# Altium PCB Exter.PcbDoc (part 1 of 2)
Units mil, origin at the board's own origin, x right, y up, seen from the top; angles counter-clockwise.
Board outline 6825 x 4690 mil, 2 copper layers (Top Layer, Bottom Layer); 156 components, 130 nets, 506 pads, 250 vias.
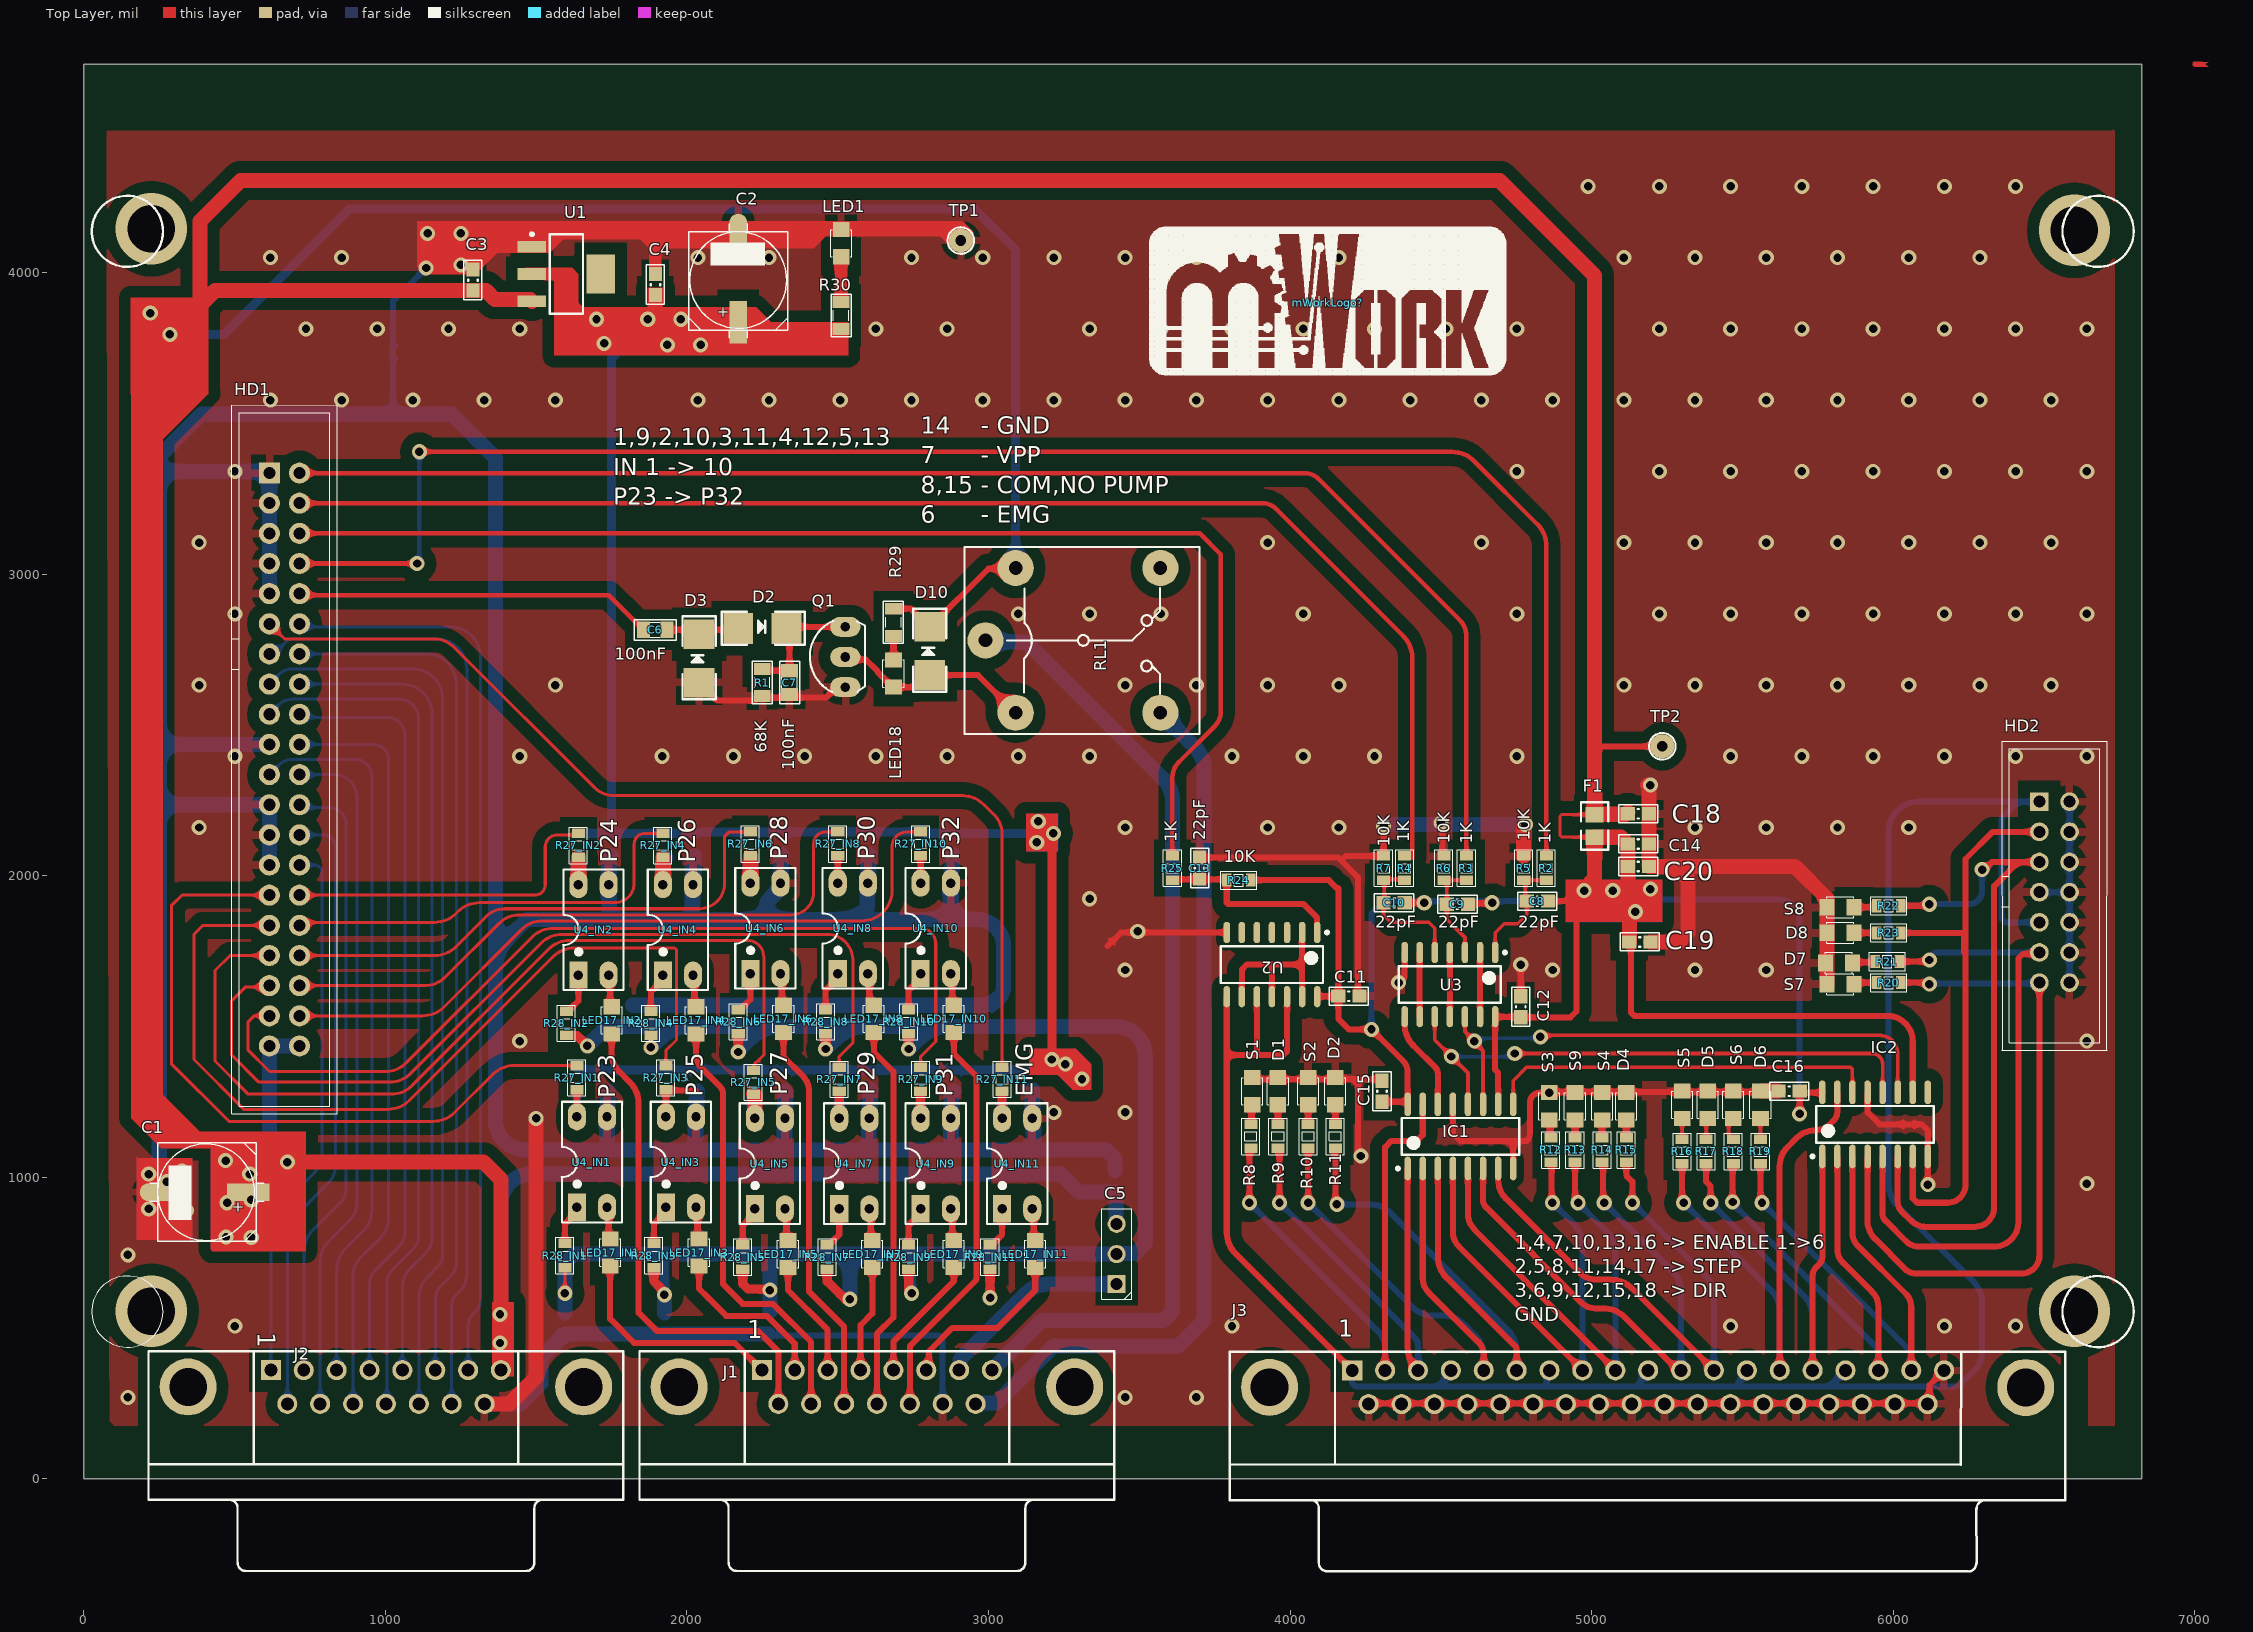
[diagram p0: Top Layer view]
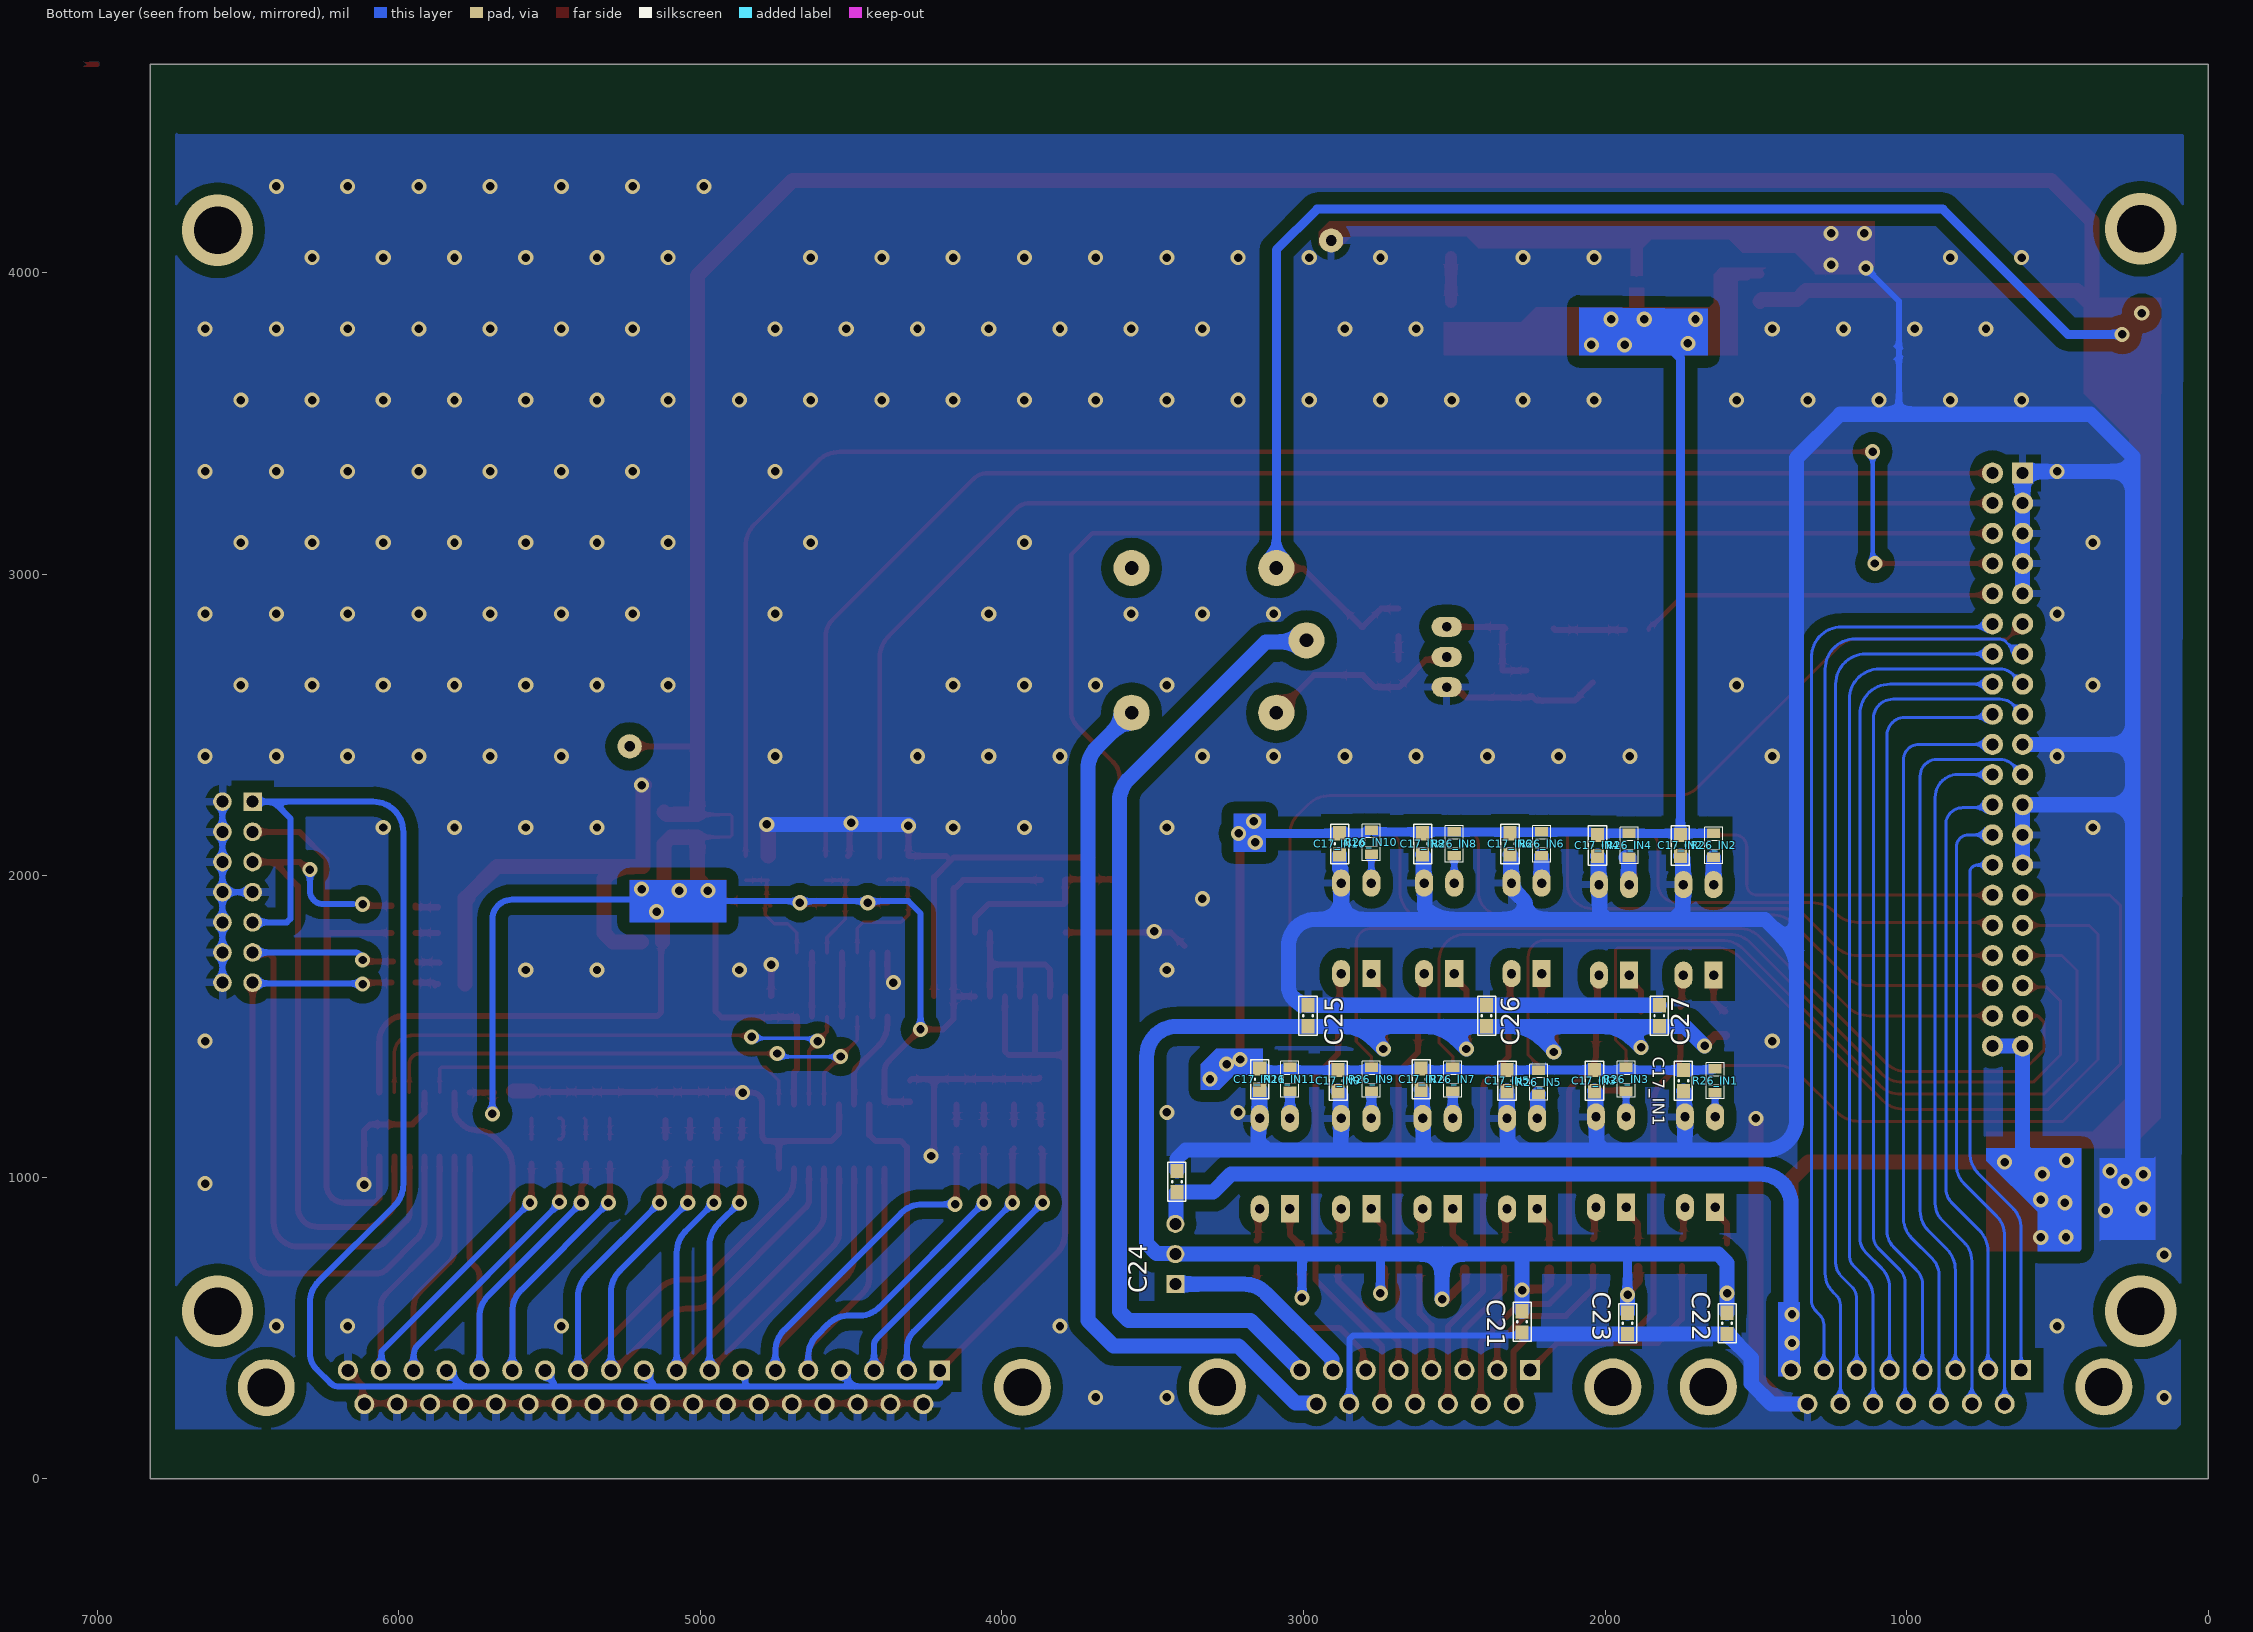
[diagram p1: Bottom Layer view, seen from below]
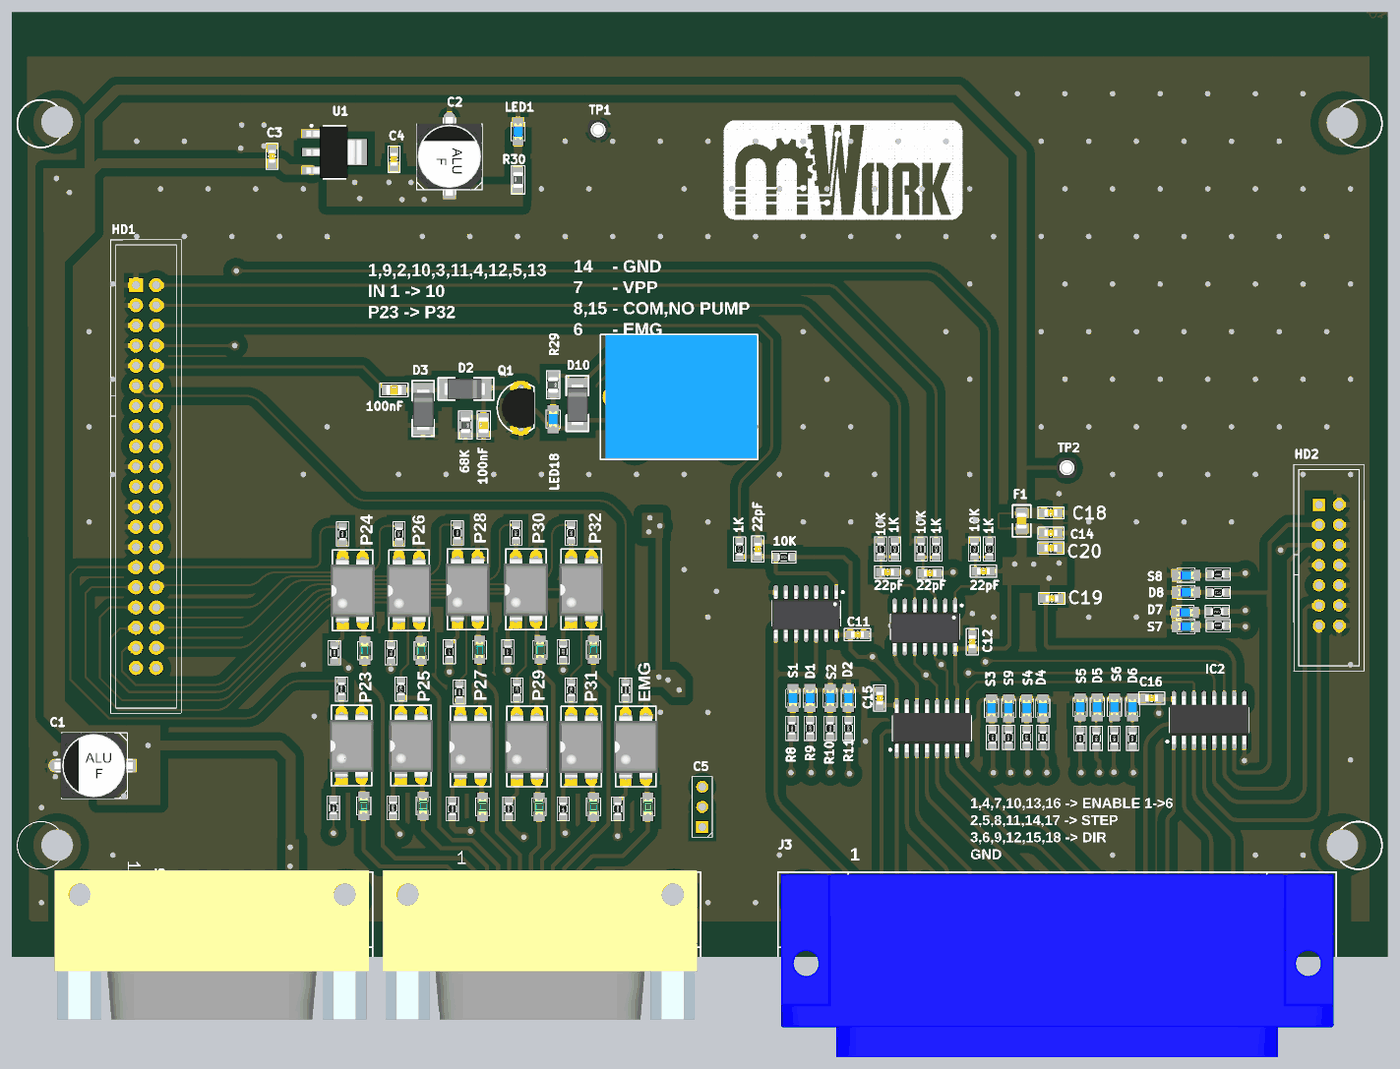
[diagram p3: 3D render of the assembled board from above, using the file's embedded part models]
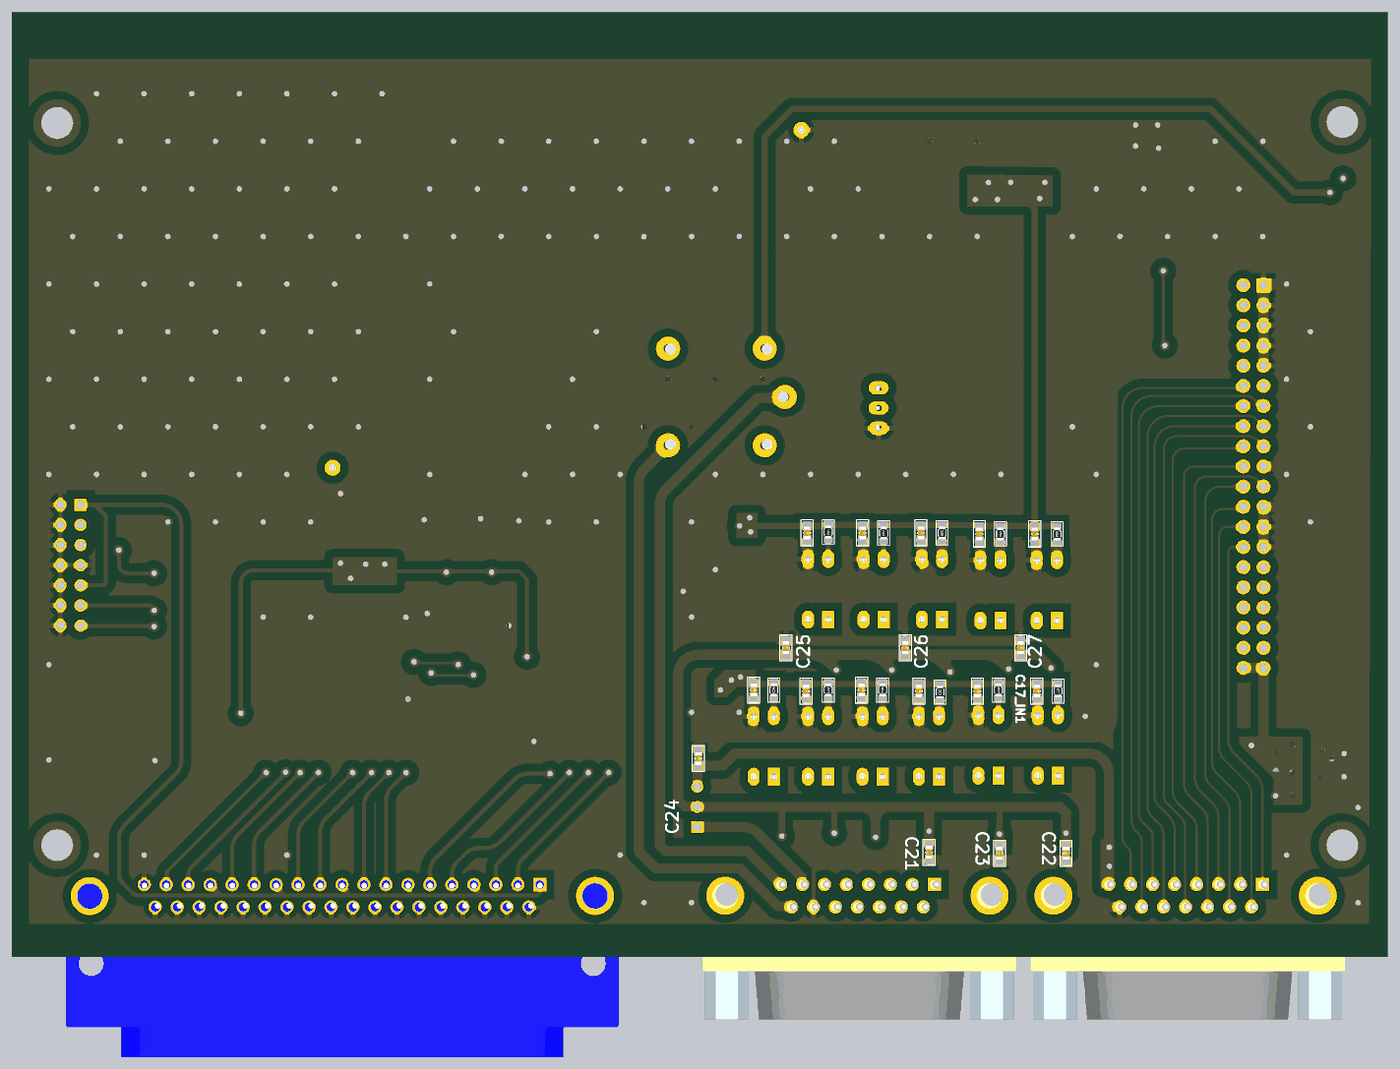
[diagram p4: 3D render of the assembled board from below, using the file's embedded part models]

## Layer stack, top to bottom
Top Solder: solder mask 0.4, Solder Resist, Dk 3.5
Top Layer: signal copper 1.4
Dielectric 1: dielectric 12.6, FR-4, Dk 4.8
Bottom Layer: signal copper 1.4
Bottom Solder: solder mask 0.4, Solder Resist, Dk 3.5

## Board outline
0,0 6825,0 6825,4690 0,4690

## Design rules (kind name [scope] priority, off if disabled: settings)
Clearance PoBOT [InNamedPolygon('GND_L01_P000') Or InNamedPolygon('PolygonBotGND')] p1: gap=40 ignorepadtopadclearanceinfootprint=FALSE
Clearance [All] p2: gap=10 ignorepadtopadclearanceinfootprint=FALSE except(0: Arc-Hole Track-Hole SMDPad-Hole THPad-Hole Via-Hole Fill-Hole Poly-Hole Region-Hole Text-Hole)
PolygonConnect PolygonConnect_2 [All vs IsNamedPolygon('GND_L01_P000') or IsNamedPolygon('PolygonBotGND')] p1: thpad.connectstyle=Relief thpad.reliefconductorwidth=25 thpad.reliefentries=4 thpad.polygonreliefangle="90 Angle" thpad.airgapwidth=25 smdpad.connectstyle=Relief smdpad.reliefconductorwidth=25 smdpad.reliefentries=4 smdpad.polygonreliefangle="90 Angle" smdpad.airgapwidth=25 via.connectstyle=Direct via.reliefconductorwidth=10 via.reliefentries=4 via.polygonreliefangle="90 Angle" via.airgapwidth=10
PolygonConnect PolygonConnect_1 [All vs IsNamedPolygon('GND_L01_P000')] p2: thpad.connectstyle=Relief thpad.reliefconductorwidth=10 thpad.reliefentries=4 thpad.polygonreliefangle="90 Angle" thpad.airgapwidth=10 smdpad.connectstyle=Relief smdpad.reliefconductorwidth=20 smdpad.reliefentries=4 smdpad.polygonreliefangle="90 Angle" smdpad.airgapwidth=20 via.connectstyle=Direct via.reliefconductorwidth=10 via.reliefentries=4 via.polygonreliefangle="90 Angle" via.airgapwidth=10
PolygonConnect [All] p3: connectstyle=Relief reliefconductorwidth=10 reliefentries=4 polygonreliefangle="90 Angle" airgapwidth=10
RoomDefinition IN11 [InComponentClass('IN11')] p1: confinementstyle=ConfineIn formatcopy=TRUE lockcomponents=FALSE outline 2955,1350 2955,645 3210,645 3210,1350
RoomDefinition IN10 [InComponentClass('IN10')] p2: confinementstyle=ConfineIn formatcopy=TRUE lockcomponents=FALSE outline 2685,2130 2685,1425 2940,1425 2940,2130
RoomDefinition IN9 [InComponentClass('IN9')] p3: confinementstyle=ConfineIn formatcopy=TRUE lockcomponents=FALSE outline 2685,1350 2685,645 2940,645 2940,1350
RoomDefinition IN8 [InComponentClass('IN8')] p4: confinementstyle=ConfineIn formatcopy=TRUE lockcomponents=FALSE outline 2410,2130 2410,1425 2665,1425 2665,2130
RoomDefinition IN7 [InComponentClass('IN7')] p5: confinementstyle=ConfineIn formatcopy=TRUE lockcomponents=FALSE outline 2415,1350 2415,645 2670,645 2670,1350
RoomDefinition IN6 [InComponentClass('IN6')] p6: confinementstyle=ConfineIn formatcopy=TRUE lockcomponents=FALSE outline 2120,2130 2120,1425 2375,1425 2375,2130
RoomDefinition IN5 [InComponentClass('IN5')] p7: confinementstyle=ConfineIn formatcopy=TRUE lockcomponents=FALSE outline 2135,1350 2135,645 2390,645 2390,1350
RoomDefinition IN4 [InComponentClass('IN4')] p8: confinementstyle=ConfineIn formatcopy=TRUE lockcomponents=FALSE outline 1830,2125 1830,1420 2085,1420 2085,2125
RoomDefinition IN3 [InComponentClass('IN3')] p9: confinementstyle=ConfineIn formatcopy=TRUE lockcomponents=FALSE outline 1840,1355 1840,650 2095,650 2095,1355
RoomDefinition IN2 [InComponentClass('IN2')] p10: confinementstyle=ConfineIn formatcopy=TRUE lockcomponents=FALSE outline 1550,2125 1550,1420 1805,1420 1805,2125
RoomDefinition IN1 [InComponentClass('IN1')] p11: confinementstyle=ConfineIn formatcopy=TRUE lockcomponents=FALSE outline 1545,1355 1545,650 1800,650 1800,1355
RoomDefinition ProExtBus [InComponentClass('ProExtBus')] p12: confinementstyle=ConfineIn formatcopy=TRUE lockcomponents=FALSE outline 10015,4455 27765,4455 27765,9870 10015,9870
RoomDefinition EXTERN [InComponentClass('EXTERN')] p13: confinementstyle=ConfineIn formatcopy=TRUE lockcomponents=FALSE outline 8030,-1640 25780,-1640 25780,3775 8030,3775
RoutingVias [All] p1: holewidth=28 width=50 viastyle="Through Hole" minholewidth=28 minwidth=50 maxholewidth=28 maxwidth=50
SolderMaskExpansion [All] p1: expansion=4 istentingtop=FALSE
Width [All] p1: maxlimit=80 minlimit=10 preferedwidth=30
30 further rules are at their usual default settings.
